# Altium PCB SSHub-B.PcbDoc (part 1 of 2)
Units mm, origin at the board's own origin, x right, y up, seen from the top; angles counter-clockwise.
Board outline 100 x 55.5 mm, 2 copper layers (Top Layer, Bottom Layer); 171 components, 186 nets, 656 pads, 131 vias.
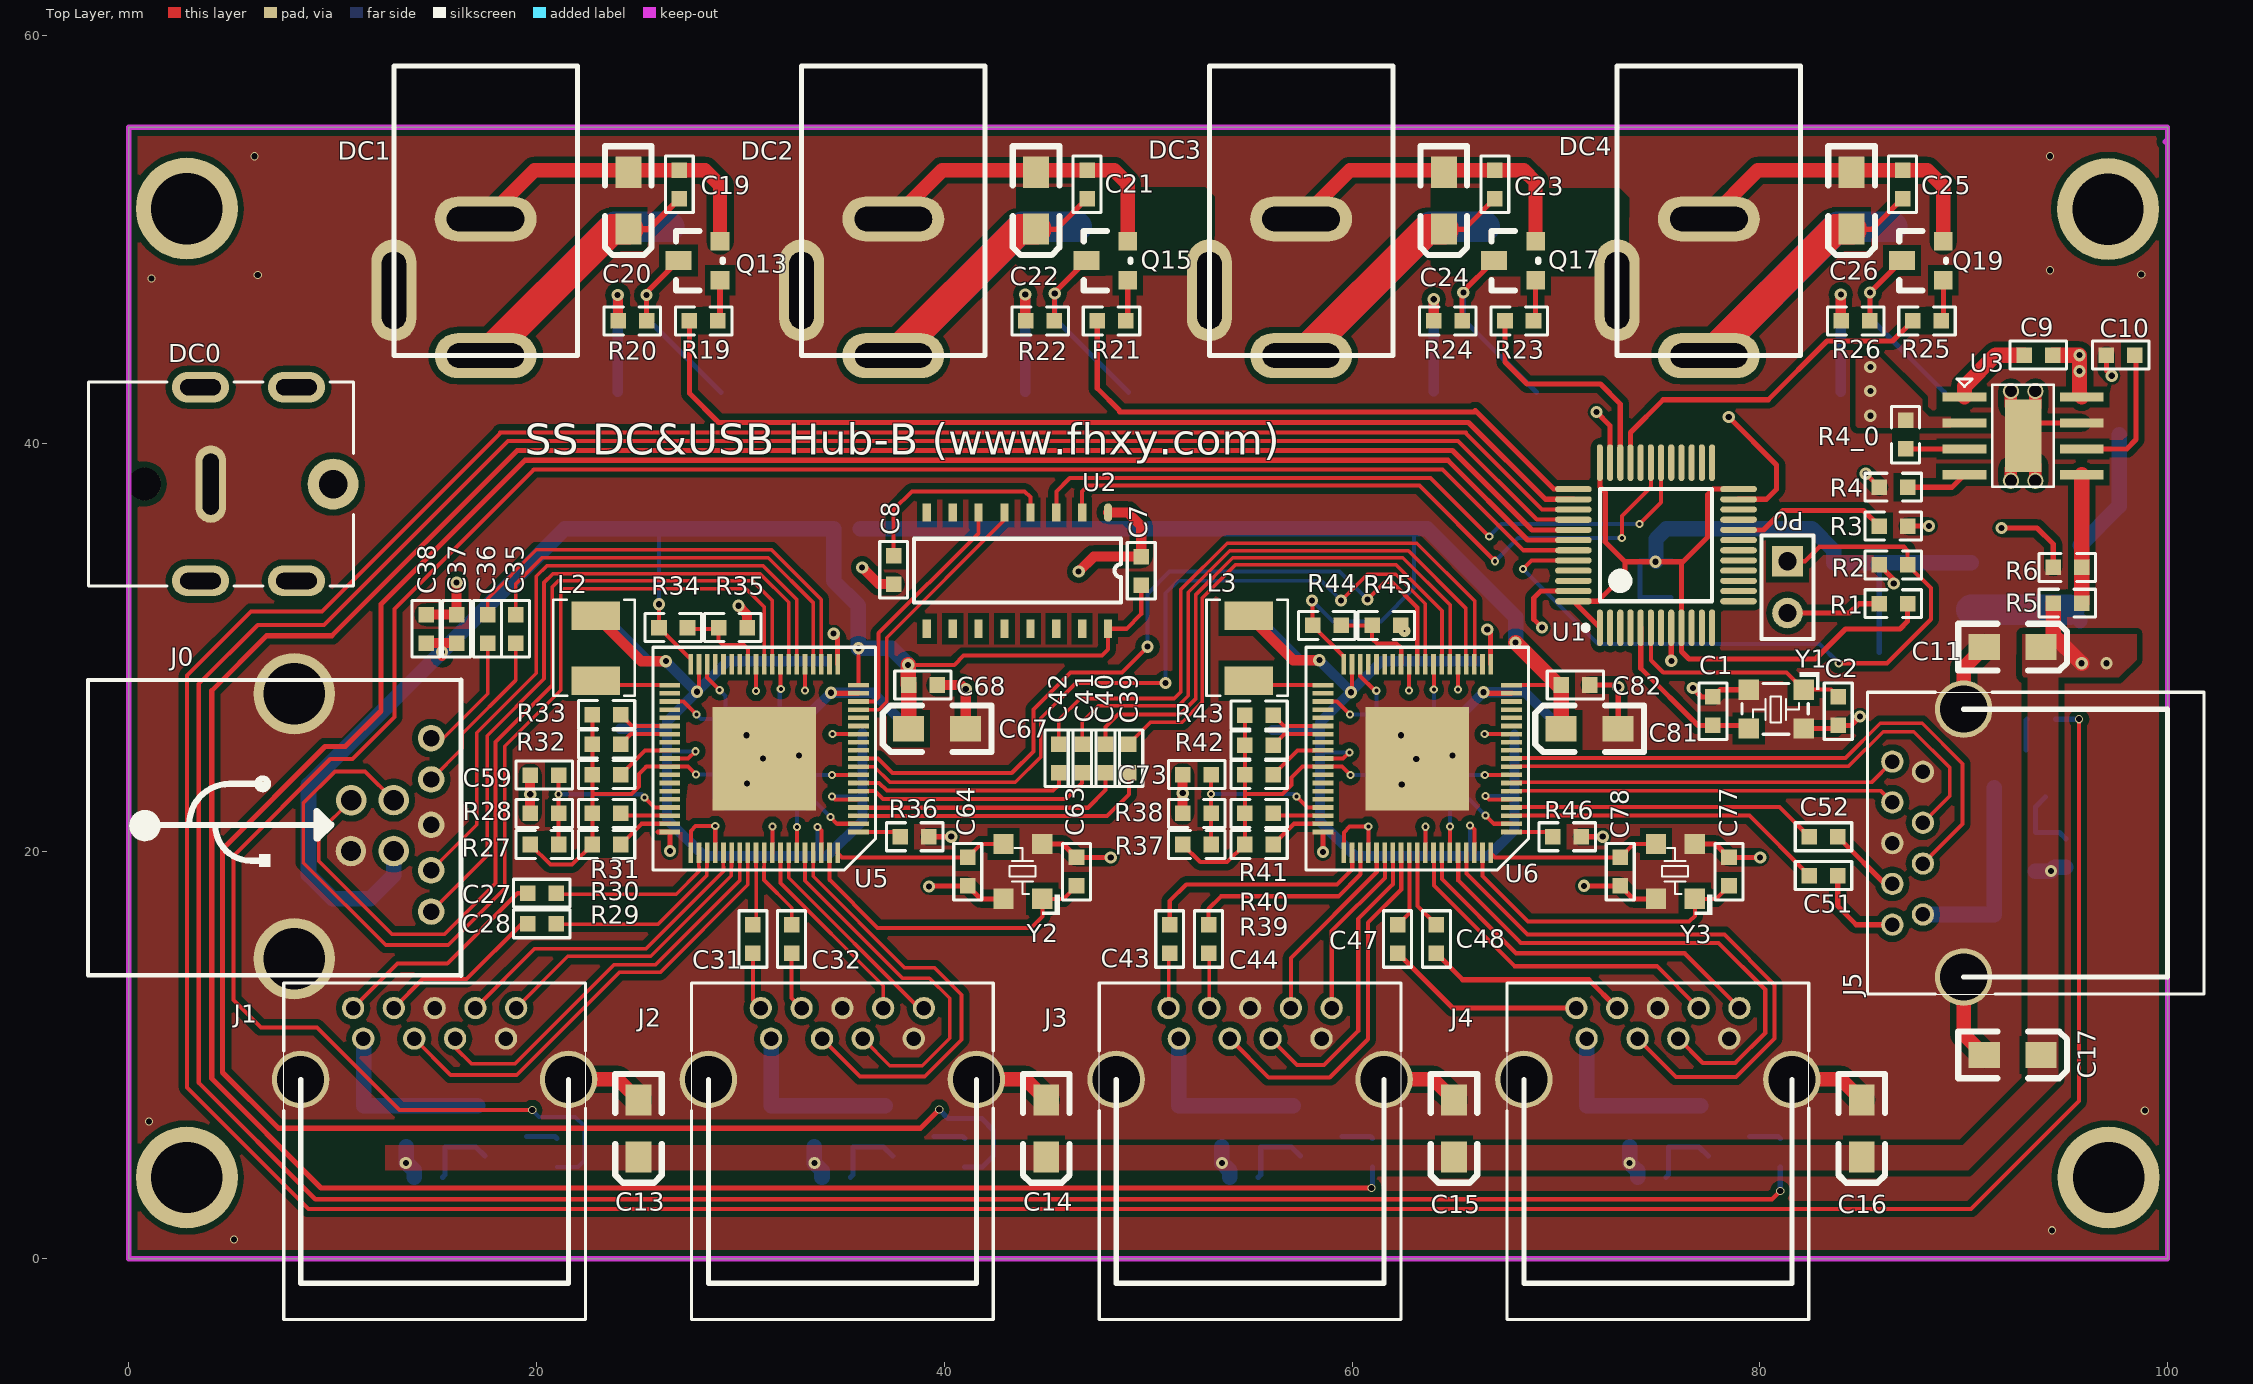
[diagram p0: Top Layer view]
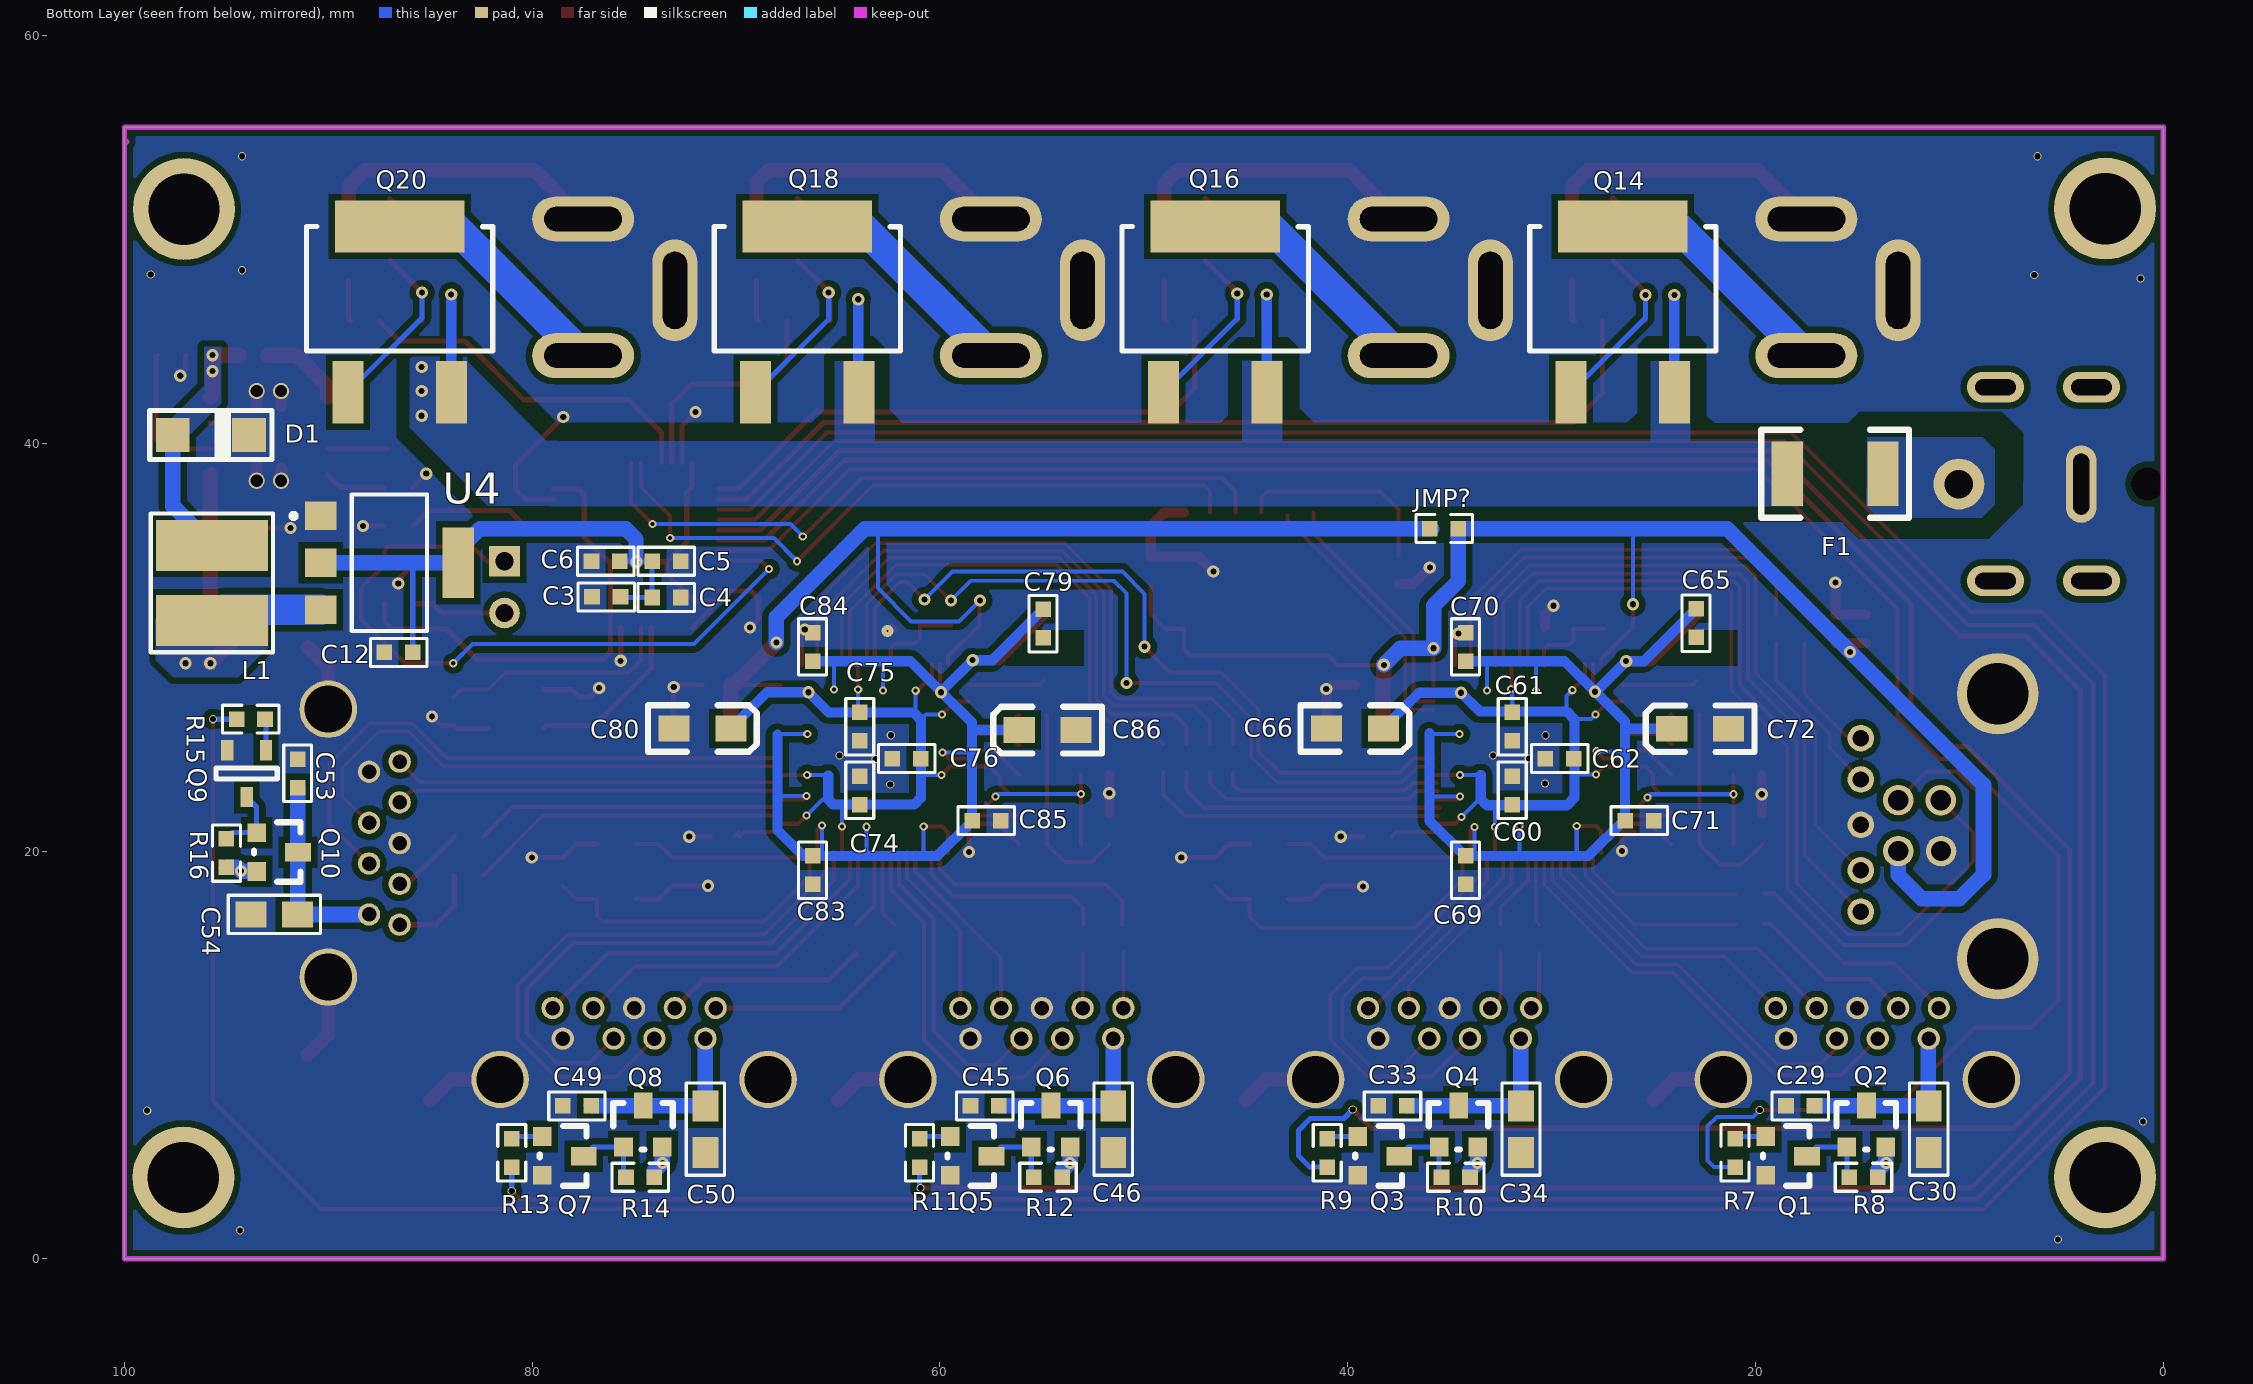
[diagram p1: Bottom Layer view, seen from below]
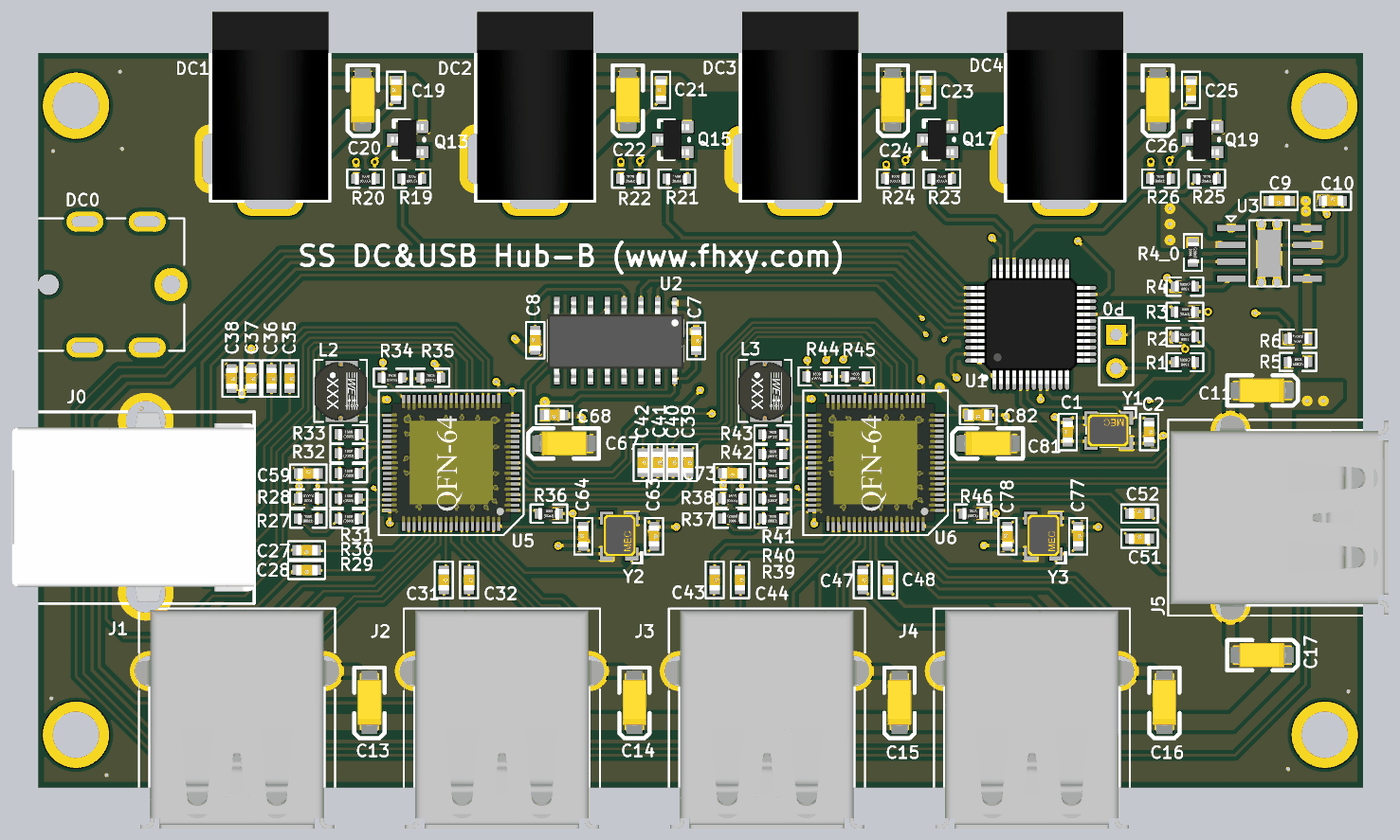
[diagram p3: 3D render of the assembled board from above, using the file's embedded part models]
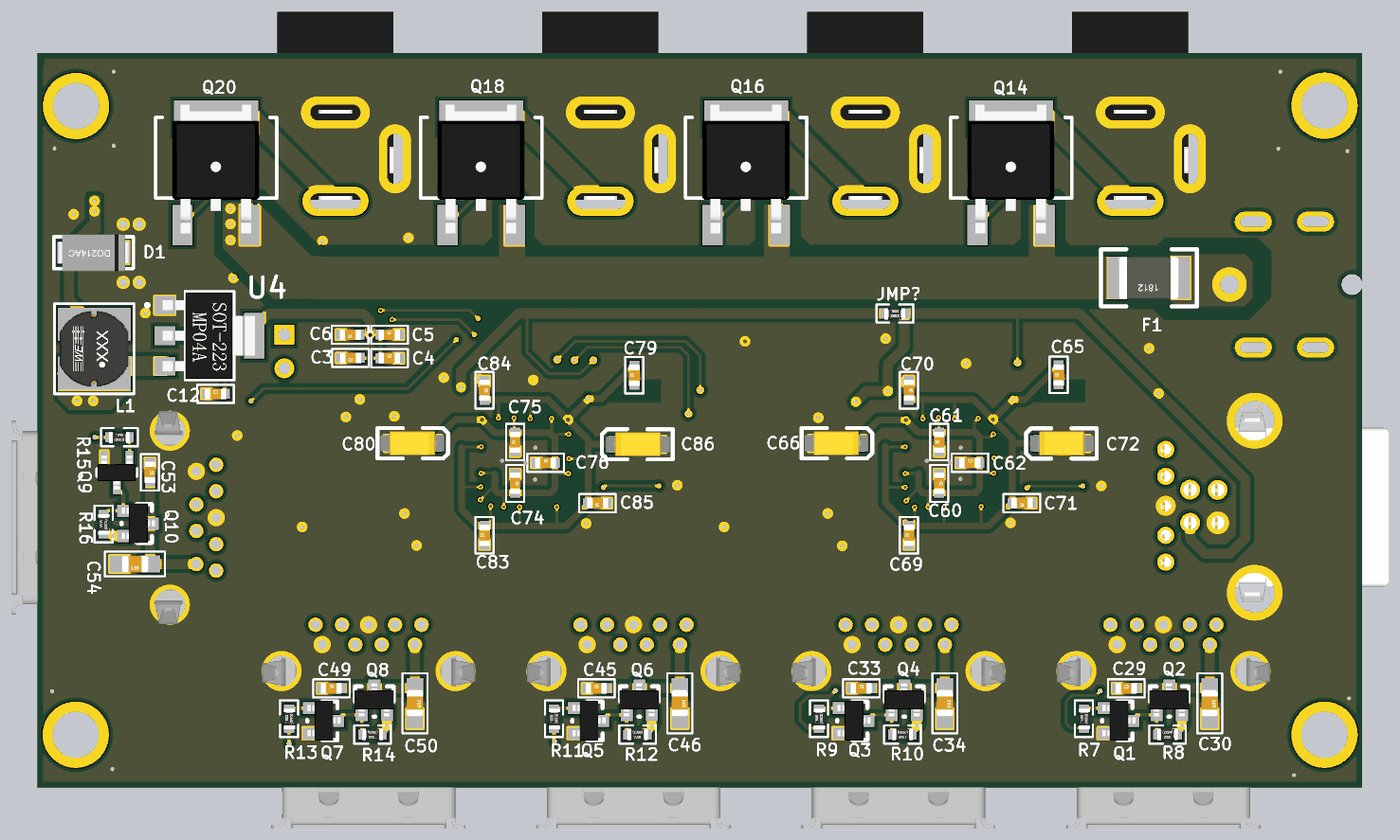
[diagram p4: 3D render of the assembled board from below, using the file's embedded part models]

## Layer stack, top to bottom
Top Solder: solder mask 0.0102, Solder Resist, Dk 3.5
Top Layer: signal copper 0.0356
Dielectric1: dielectric 0.32, FR-4, Dk 4.8
Bottom Layer: signal copper 0.0356
Bottom Solder: solder mask 0.0102, Solder Resist, Dk 3.5

## Board outline
0,0 0,55.5 100,55.5 100,0

## Design rules (kind name [scope] priority, off if disabled: settings)
Clearance Clearance_1 [InPolygon] p1: gap=0.305
Clearance [All] p2: gap=0.152
Clearance Clearance_DIFF [(InDifferentialPairClass('All Differential Pairs'))] p3: gap=0.152
DiffPairsRouting [InDifferentialPairClass('All Differential Pairs')] p1: maxlimit=0.203 minlimit=0.203 mostfreqgap=0.203 toplayer_minwidth=0.178 toplayer_maxwidth=0.305 toplayer_prefwidth=0.305 bottomlayer_minwidth=0.178 bottomlayer_maxwidth=0.305 bottomlayer_prefwidth=0.305 maxuncoupledlength=12.7
HoleToHoleClearance [All] p1: gap=0.152 allowstackedmicrovias=TRUE
MinimumSolderMaskSliver [All] p1: minsoldermaskwidth=0.102
PlaneClearance [All] p1: clearance=0.381
PlaneConnect [All] p1: planeconnectstyle=Direct reliefexpansion=0.508 reliefentries=4 reliefconductorwidth=0.254 reliefairgap=0.254
PolygonConnect [All] p1: connectstyle=Direct reliefconductorwidth=0.5 reliefentries=4 polygonreliefangle="90 Angle" airgapwidth=0.254
RoutingVias [All] p1: holewidth=0.3 width=0.4 viastyle="Through Hole" minholewidth=0.3 minwidth=0.4 maxholewidth=1 maxwidth=1.27
SilkToSilkClearance [All] p1: silktosilkclearance=0
SilkToSolderMaskClearance SilkscreenOverComponentPads [IsPad] p1: minsilkscreentomaskgap=0 clearancetoexposedcopper=TRUE
SolderMaskExpansion [All] p1: expansion=0.102
Width [All] p1: maxlimit=2 minlimit=0.152 preferedwidth=0.381
22 further rules are at their usual default settings.

## Classes and differential pairs
component class POWER: C9 C10 C11 C12 C13 C14 C15 C16 C17 C19 C20 C21 C22 C23 C24 C25 C26 D1 DC0 DC1 DC2 DC3 F1 L1 Q1 Q2 Q3 Q4 Q5 Q6 Q7 Q8 Q9 Q10 Q13 Q14 Q15 Q16 Q17 Q18 Q19 Q20 R4 R4_0 R5 R6 R7 R8 R9 R10 R11 R12 R13 R14 R15 R16 R19 R20 R21 R22 R23 R24 R25 R26 U3 U4
component class MCU: C1 C2 C3 C4 C5 C6 C7 C8 P0 R1 R2 R3 U1 U2 Y1
component class USB3.0HUB_1: C8 C12 C17 C27 C28 C30 C31 C32 C33 C34 C35 C36 C37 C38 C39 C40 C41 C42 C59 C60 C61 C62 C66 C67 C68 C69 C70 C71 C72 J0 J1 J2 L2 R27 R28 R29 R30 R31 R32 R33 R34 R35 R36 U5 Y2
component class USB3.0HUB_2: C39 C40 C41 C42 C43 C44 C45 C46 C47 C48 C49 C50 C51 C52 C53 C54 C73 C74 C75 C76 C79 C80 C82 C84 C85 C86 J3 J4 J5 JMP? L3 R37 R38 R39 R40 R41 R42 R43 R44 R45 R46 U6 Y3
differential pair ~SSTX3: +~SSTX3_P -~SSTX3_N
differential pair ~SSRX3: +~SSRX3_P -~SSRX3_N
differential pair SSTX4: +SSTX4_P -SSTX4_N
differential pair OSC: +OSC_P -OSC_N
differential pair ~SSTX0: +~SSTX0_P -~SSTX0_N
differential pair ~SSRX0: +~SSRX0_P -~SSRX0_N
differential pair USBHP4: +USBHP4_P -USBHP4_N
differential pair SSTX3: +SSTX3_P -SSTX3_N
differential pair SSTX2: +SSTX2_P -SSTX2_N
differential pair SSTX2E: +SSTX2E_P -SSTX2E_N
differential pair SSTX1: +SSTX1_P -SSTX1_N
differential pair SSTX1E: +SSTX1E_P -SSTX1E_N
differential pair SSTX0: +SSTX0_P -SSTX0_N
differential pair SSTX0E: +SSTX0E_P -SSTX0E_N
differential pair SSRX3: +SSRX3_P -SSRX3_N
differential pair SSRX2: +SSRX2_P -SSRX2_N
differential pair SSRX1: +SSRX1_P -SSRX1_N
differential pair SSRX0: +SSRX0_P -SSRX0_N
differential pair ~USBHP4: +~USBHP4_P -~USBHP4_N
differential pair ~USBHP3: +~USBHP3_P -~USBHP3_N
differential pair SSX: +SSX_P -SSX_N
differential pair ~SSX: +~SSX_P -~SSX_N
differential pair USBHP1: +USBHP1_P -USBHP1_N
differential pair USBHP2: +USBHP2_P -USBHP2_N
differential pair USBHP3: +USBHP3_P -USBHP3_N
differential pair USBDP0: +USBDP0_P -USBDP0_N
differential pair ~SSRX1: +~SSRX1_P -~SSRX1_N
differential pair ~SSRX2: +~SSRX2_P -~SSRX2_N
differential pair ~SSRX4: +~SSRX4_P -~SSRX4_N
differential pair ~SSTX1E: +~SSTX1E_P -~SSTX1E_N
differential pair ~SSTX1: +~SSTX1_P -~SSTX1_N
differential pair ~SSTX2E: +~SSTX2E_P -~SSTX2E_N
differential pair ~SSTX2: +~SSTX2_P -~SSTX2_N
differential pair ~SSTX4E: +~SSTX4E_P -~SSTX4E_N
differential pair ~SSTX4: +~SSTX4_P -~SSTX4_N
differential pair ~USBHP1: +~USBHP1_P -~USBHP1_N
differential pair ~USBHP2: +~USBHP2_P -~USBHP2_N
differential pair ~SSTX3E: +~SSTX3E_P -~SSTX3E_N

## Components (designator, comment, footprint, x,y, rotation, side; value= is the part's Value field where it differs from the comment)
C1 "18pF" 0603C 77.699,26.162 r90 top
C2 "18pF" 0603C 83.845,27.559 r270 top
C3 "0.1uF" 0603C 75.667,32.461 r0 bottom
C4 "0.1uF" 0603C 74.117,32.436 r180 bottom
C5 "0.1uF" 0603C 74.117,34.214 r180 bottom
C6 "0.1uF" 0603C 75.692,34.214 r0 bottom
C7 "0.1uF" 0603C 49.657,34.442 r270 top
C8 "0.1uF" 0603C 37.516,33.096 r90 top
C9 "0.1uF" 0603C 94.361,44.323 r180 top
C10 "0.1uF" 0603C 97,44.323 r0 top
C11 "10uF" 3216 93.8,30 r0 top locked
C12 "0.1uF" 0603C 87.249,29.743 r180 bottom
C13 "10uF" 3216 25,5 r270 top locked
C14 "10uF" 3216 45,5 r270 top locked
C15 "10uF" 3216 65,5 r270 top locked
C16 "10uF" 3216 85,5 r270 top locked
C17 "10uF" 3216 93.8,10 r0 top locked
C19 "0.1uF" 0603C 27,52 r90 top locked
C20 "10uF" 3216 24.5,50.5 r270 top locked
C21 "0.1uF" 0603C 47,52 r90 top locked
C22 "10uF" 3216 44.5,50.5 r270 top locked
C23 "0.1uF" 0603C 67,52 r90 top locked
C24 "10uF" 3216 64.5,50.5 r270 top locked
C25 "0.1uF" 0603C 87,52 r90 top locked
C26 "10uF" 3216 84.5,50.5 r270 top locked
C27 "0.1uF" 0603C 20.955,17.932 r180 top
C28 "0.1uF" 0603C 20.955,16.434 r180 top
C29 "0.1uF" 0603C 18.5,7.5 r180 bottom locked
C30 "10uF" 0805C 11.5,7.5 r270 bottom locked
C31 "0.1uF" 0603C 30.607,16.383 r270 top
C32 "0.1uF" 0603C 32.512,16.383 r270 top
C33 "0.1uF" 0603C 38.5,7.5 r180 bottom locked
C34 "10uF" 0805C 31.5,7.5 r270 bottom locked
C35 "0.1uF" 0603C 18.97,31.598 r270 top locked
C36 "0.1uF" 0603C 17.598,31.598 r270 top locked
C37 "1uF" 0603C 16.078,31.598 r270 top
C38 "1uF" 0603C 14.58,31.598 r270 top
C39 "0.1uF" 0603C 49.047,25.248 r270 top
C40 "0.1uF" 0603C 47.904,25.248 r270 top
C41 "0.1uF" 0603C 46.761,25.248 r270 top
C42 "0.1uF" 0603C 45.618,25.248 r270 top
C43 "0.1uF" 0603C 51.054,16.383 r270 top
C44 "0.1uF" 0603C 52.959,16.383 r270 top
C45 "0.1uF" 0603C 58.5,7.5 r180 bottom locked
C46 "10uF" 0805C 51.5,7.5 r270 bottom locked
C47 "0.1uF" 0603C 62.23,16.383 r270 top
C48 "0.1uF" 0603C 64.135,16.383 r270 top
C49 "0.1uF" 0603C 78.5,7.5 r180 bottom locked
C50 "10uF" 0805C 71.5,7.5 r270 bottom locked
C51 "0.1uF" 0603C 82.423,18.796 r0 top
C52 "0.1uF" 0603C 82.423,20.701 r0 top
C53 "0.1uF" 0603C 91.5,24.511 r270 bottom locked
C54 "10uF" 0805C 91.5,16.891 r0 bottom locked
C59 "1uF" 0603C 19.685,23.724 r0 top locked
C60 "0.1uF" 0603C 31.928,23.673 r270 bottom locked
C61 "0.1uF" 0603C 31.928,25.4 r90 bottom locked
C62 "0.1uF" 0603C 30.302,24.536 r180 bottom locked
C63 "18pF" 0603C 46.482,19.685 r270 top
C64 "18pF" 0603C 41.148,18.288 r90 top
C65 "1uF" 0603C 22.911,30.48 r90 bottom
C66 "4.7uF" 3216 38.252,26.01 r180 bottom locked
C67 "10uF" 3216 38.252,26 r180 top locked
C68 "0.1uF" 0603C 39.649,28.143 r180 top locked
C69 "0.1uF" 0603C 34.214,18.364 r90 bottom locked
C70 "0.1uF" 0603C 34.214,30.709 r270 bottom locked
C71 "0.1uF" 0603C 24.994,21.488 r0 bottom locked
C72 "10uF" 3216 24.105,26 r0 bottom locked
C73 "1uF" 0603C 53.086,23.749 r180 top locked
C74 "0.1uF" 0603C 63.932,23.673 r270 bottom locked
C75 "0.1uF" 0603C 63.932,25.4 r90 bottom locked
C76 "0.1uF" 0603C 62.332,24.536 r180 bottom locked
C77 "18pF" 0603C 78.486,19.685 r270 top
C78 "18pF" 0603C 73.152,18.288 r90 top
C79 "1uF" 0603C 54.94,30.455 r90 bottom
C80 "4.7uF" 3216 70.256,26.01 r180 bottom locked
C81 "10uF" 3216 70.256,26 r180 top locked
C82 "0.1uF" 0603C 71.653,28.143 r180 top locked
C83 "0.1uF" 0603C 66.243,18.364 r90 bottom locked
C84 "0.1uF" 0603C 66.243,30.709 r270 bottom locked
C85 "0.1uF" 0603C 57.023,21.488 r0 bottom locked
C86 "10uF" 3216 56.109,25.933 r0 bottom locked
D1 "SS36" DO-214AC 95.758,40.411 r180 bottom
DC0 "DC-5525" DC-5525 4.52,38 r90 top locked
DC1 "DC-5.5" DC_5.5MM 22,58.5 r270 top locked
DC2 "DC-5.5" DC_5.5MM 42,58.5 r270 top locked
DC3 "DC-5.5" DC_5.5MM 62,58.5 r270 top locked
DC4 "DC-5.5" DC_5.5MM 82,58.5 r270 top
F1 "SSQ10A" 1812R 13.741,38.506 r0 bottom
J0 "90度USB方口座" USB-B-R 12.989,20 r270 top locked
J1 "USB-UEA11123-4HK1-4H" USB3.0-A 15,8.8 r0 top locked
J2 "USB-UEA11123-4HK1-4H" USB3.0-A 35,8.8 r0 top locked
J3 "USB-UEA11123-4HK1-4H" USB3.0-A 55,8.8 r0 top locked
J4 "USB-UEA11123-4HK1-4H" USB3.0-A 75,8.8 r0 top locked
J5 "USB-UEA11123-4HK1-4H" USB3.0-A 90,20.388 r90 top
JMP? "0" 0603R 35.966,35.814 r180 bottom
L1 "SCDS6D38T-100T" CD845 95.707,33.147 r180 bottom locked
L2 "10uH/CD43" CD4532 22.835,29.947 r0 top locked
L3 "10uH/CD43" CD4532 54.864,29.947 r0 top locked
P0 "Header 2" HDR1X2 81.356,34.214 r270 top
Q1 "2N3904" SOT-23#1 19.5,6 r270 bottom locked
Q2 "SI2323DS" SIMOS 14.5,6.5 r180 bottom locked
Q3 "2N3904" SOT-23#1 39.5,6 r270 bottom locked
Q4 "SI2323DS" SIMOS 34.5,6.5 r180 bottom locked
Q5 "2N3904" SOT-23#1 59.5,6 r270 bottom locked
Q6 "SI2323DS" SIMOS 54.5,6.5 r180 bottom locked
Q7 "2N3904" SOT-23#1 79.5,6 r270 bottom locked
Q8 "SI2323DS" SIMOS 74.5,6.5 r180 bottom locked
Q9 "2N3904" SOT-23#2 94,23.8 r0 bottom locked
Q10 "SI2323DS" SIMOS 92.5,19.888 r270 bottom locked
Q13 "2N3904" SOT-23#1 29,48 r90 top locked
Q14 "AOD403" TO-252 26.5,42.5 r180 bottom locked
Q15 "2N3904" SOT-23#1 49,48 r90 top locked
Q16 "AOD403" TO-252 46.5,42.5 r180 bottom locked
Q17 "2N3904" SOT-23#1 69,48 r90 top locked
Q18 "AOD403" TO-252 66.5,42.5 r180 bottom locked
Q19 "2N3904" SOT-23#1 89,48 r90 top locked
Q20 "AOD403" TO-252 86.5,42.5 r180 bottom locked
R1 "5k" 0603R 87.249,32.131 r180 top
R2 "10k" 0603R 87.249,34.036 r180 top
R3 "10k" 0603R 85.852,35.941 r0 top
R4 "47K" 0603R 87.249,37.846 r180 top
R4_0 "10K" 0603R 87.147,39.726 r90 top (schematic designator R?)
R5 "47K" 0603R 94.386,32.156 r0 top
R6 "8.06K" 0603R 95.783,33.909 r180 top
R7 "4.7K" 0603R 21,4.5 r90 bottom locked
R8 "20K" 0603R 14,4 r0 bottom locked
R9 "4.7K" 0603R 41,4.5 r90 bottom locked
R10 "20K" 0603R 34,4 r0 bottom locked
R11 "4.7K" 0603R 61,4.5 r90 bottom locked
R12 "20K" 0603R 54,4 r0 bottom locked
R13 "4.7K" 0603R 81,4.5 r90 bottom locked
R14 "20K" 0603R 74,4 r0 bottom locked
R15 "4.7K" 0603R 94.5,26.467 r180 bottom locked
R16 "20K" 0603R 95,19.202 r90 bottom locked
R19 "4.7K" 0603R 27.5,46 r0 top locked
R20 "20K" 0603R 24,46 r0 top locked
R21 "4.7K" 0603R 47.5,46 r0 top locked
R22 "20K" 0603R 44,46 r0 top locked
R23 "4.7K" 0603R 67.5,46 r0 top locked
R24 "20K" 0603R 64,46 r0 top locked
R25 "4.7K" 0603R 87.5,46 r0 top locked
R26 "20K" 0603R 84,46 r0 top locked
R27 "10K" 0603R 19.685,20.32 r0 top locked
R28 "100K" 0603R 21.082,21.844 r180 top locked
R29 "10K" 0603R 22.733,20.32 r0 top locked
R30 "10K" 0603R 22.733,21.844 r0 top locked
R31 "10K" 0603R 22.733,23.749 r0 top locked
R32 "10K" 0603R 22.733,25.248 r0 top locked
R33 "10K" 0603R 22.733,26.695 r0 top locked
R34 "4.7K" 0603R 26.006,30.963 r0 top locked
R35 "10K" 0603R 28.927,30.963 r0 top locked
R36 "6.04K/1%" 0603R 37.846,20.701 r0 top locked
R37 "10K" 0603R 53.086,20.32 r180 top locked
R38 "100K" 0603R 51.689,21.844 r0 top locked
R39 "10K" 0603R 54.737,20.32 r0 top locked
R40 "10K" 0603R 54.737,21.844 r0 top locked
R41 "10K" 0603R 54.737,23.749 r0 top locked
R42 "10K" 0603R 54.737,25.197 r0 top locked
R43 "10K" 0603R 54.737,26.67 r0 top locked
R44 "4.7K" 0603R 58.061,31.064 r0 top locked
R45 "10K" 0603R 60.982,31.064 r0 top locked
R46 "6.04K/1%" 0603R 69.85,20.701 r0 top locked
U1 "STM32F103C8T6" LQFP48_N 74.905,35.001 r0 top locked
U2 "CH340G" SOP-16 48.031,36.601 r270 top
U3 "LMR14030SDDAR" LMR14030 92.913,40.361 r180 top locked
U4 "AMS1117-3.3" SOT223 87,34.138 r270 bottom locked
U5 "VL813-Q7" QFN76-15P7-TH 31.166,24.536 r90 top locked
U6 "VL813-Q7" QFN76-15P7-TH 63.195,24.536 r90 top locked
Y1 "8MHz 无源" X3225#1 82.118,27.94 r180 top locked
Y2 "25MHz 无源" X3225#2 43.79,18.999 r90 top locked
Y3 "25MHz 无源" X3225#2 75.794,18.999 r90 top locked

## Footprints (in the part's own frame and the unit in brackets; to place one, negate y for a bottom-side part, rotate by r counter-clockwise, add the part's x,y. Pads: shape width x height; smd on the part's side, far side on the other; paste and mask are expansions set on the pad)
0603C [mil]
  rect 30x30 smd: 1(0,0) 2(55,0)
  silkscreen extent -27,-27 82,27, body extent -4,-16 59,16, height 12
0603R [mil]
  rect 30x30 smd: 1(0,0) 2(55,0)
  silkscreen extent -27,-27 82,27, body extent -4,-18 58,16, height 18
0805C [mil]
  rect 60x50 smd: 1(0,0) 2(90,0)
  silkscreen extent -44,-37 134,37, body extent 5,-25 83,25, height 31
1812R [mil]
  rect 60x125 smd: 1(0,0) 2(185,0)
  silkscreen extent -50,-85 235,85, body extent 4,-63 182,63, height 64
3216 [mil]
  rect 60x50 smd: 1(0,0) 2(-110,0)
  silkscreen extent -160,-45 50,45, body extent -151,-35 38,36, height 73
CD845 [mm]
  rect 5.5x2.5 smd: 1(0,1.85) 2(0,-1.85)
  silkscreen extent -3,-3.4 3,3.4, body extent -2.59,-2.89 2.59,2.89, height 4.5
CD4532 [mm]
  rect 2.4x1.4 smd: 1(0.069,-1.605) 2(0.069,1.595)
  Bottom Layer pour cut-out: 1.908,-0.854 1.908,0.894 -1.931,0.894 -1.931,-0.854
  silkscreen extent -2.01,-2.33 1.98,2.37, body extent -2.01,-2.24 1.99,2.24, height 3.18
DC-5525 [mm]
  round 1.6 hole 1.6 unplated mask+0.05: 01(0,3.75)
  round 2.5 hole 1.4 mask+0.05: 1(0,-5.5)
  oval 1.5x2.8 hole 0.8 slot 2 at 90 deg mask+0.05: 02(-4.75,-3.7) 02(-4.75,1) 02(4.75,-3.7) 02(4.75,1)
  oval 3.8x1.5 hole 0.8 slot 3 at 0 deg mask+0.05: 2(0,0.5)
  silkscreen extent -5,-6.5 5,6.5
DC_5.5MM [mm]
  oval 2.2x5 hole 1.2 slot 3.8 at 90 deg: 1(14.2,-4.5) 2(7.5,-4.5)
  oval 5x2.2 hole 1.2 slot 3.8 at 0 deg: 3(11,-9)
  silkscreen extent 0,-9 14.2,0, body extent -0.1,-8.88 14.1,-0.12, height 10.82
DO-214AC [mm]
  rect 1.655x1.67 smd: 1(1.865,0) 2(-1.865,0)
  silkscreen extent -3,-1.2 3,1.2, body extent -2.74,-1.4 2.74,1.4, height 2.3
HDR1X2 [mm] "Connector; Header; 2 Position"
  rect 1.5x1.5 hole 0.9: 1(0,0)
  round 1.5 hole 0.9: 2(2.54,0)
  silkscreen extent -1.27,-1.27 3.81,1.27
LMR14030 [mm]
  rect 2.15x0.45 smd: 1(2.875,-1.905) 2(2.875,-0.635) 3(2.875,0.635) 4(2.875,1.905) 5(-2.875,1.905) 6(-2.875,0.635) 7(-2.875,-0.635) 8(-2.875,-1.905)
  round 0.8 hole 0.6: 9(-0.6,2.2) 9(-0.6,-2.2) 9(0.6,2.2) 9(0.6,-2.2)
  rect 1.778x3.556 smd: 9(0,0)
  Top Layer lines w0.61: 0.6,2.2 0.6,1.616 ; 0.6,-1.489 0.6,-2.2 ; -0.6,2.2 -0.6,1.432 ; -0.6,-1.432 -0.6,-2.2
  silkscreen extent -1.49,-2.79 3.26,2.49
LQFP48_N [mm]
  oval 0.3x1.8 smd: 1(-2.75,-4.05) 2(-2.25,-4.05) 3(-1.75,-4.05) 4(-1.25,-4.05) 5(-0.75,-4.05) 6(-0.25,-4.05) 7(0.25,-4.05) 8(0.75,-4.05) 9(1.25,-4.05) 10(1.75,-4.05) 11(2.25,-4.05) 12(2.75,-4.05) 25(2.75,4.05) 26(2.25,4.05) 27(1.75,4.05) 28(1.25,4.05) 29(0.75,4.05) 30(0.25,4.05) 31(-0.25,4.05) 32(-0.75,4.05) 33(-1.25,4.05) 34(-1.75,4.05) 35(-2.25,4.05) 36(-2.75,4.05)
  oval 1.8x0.3 smd: 13(4.05,-2.75) 14(4.05,-2.25) 15(4.05,-1.75) 16(4.05,-1.25) 17(4.05,-0.75) 18(4.05,-0.25) 19(4.05,0.25) 20(4.05,0.75) 21(4.05,1.25) 22(4.05,1.75) 23(4.05,2.25) 24(4.05,2.75) 37(-4.05,2.75) 38(-4.05,2.25) 39(-4.05,1.75) 40(-4.05,1.25) 41(-4.05,0.75) 42(-4.05,0.25) 43(-4.05,-0.25) 44(-4.05,-0.75) 45(-4.05,-1.25) 46(-4.05,-1.75) 47(-4.05,-2.25) 48(-4.05,-2.75)
  silkscreen extent -3.57,-4.17 2.75,2.75, body extent -4.5,-4.5 4.5,4.5, height 1.5
QFN76-15P7-TH [mil]
  rect 9x40 smd: 1(-141.73,-182.16) 2(-125.98,-182.16) 3(-110.24,-182.16) 4(-94.49,-182.16) 5(-78.74,-182.16) 6(-62.99,-182.16) 7(-47.24,-182.16) 8(-31.5,-182.16) 9(-15.75,-182.16) 10(0,-182.16) 11(15.75,-182.16) 12(31.5,-182.16) 13(47.24,-182.16) 14(62.99,-182.16) 15(78.74,-182.16) 16(94.49,-182.16) 17(110.24,-182.16) 18(125.98,-182.16) 19(141.73,-182.16) 39(141.73,182.17) 40(125.98,182.17) 41(110.24,182.17) 42(94.49,182.17) 43(78.74,182.17) 44(62.99,182.17) 45(47.24,182.17) 46(31.5,182.17) 47(15.75,182.17) 48(0,182.17) 49(-15.75,182.17) 50(-31.5,182.17) 51(-47.24,182.17) 52(-62.99,182.17) 53(-78.74,182.17) 54(-94.49,182.17) 55(-110.24,182.17) 56(-125.98,182.17) 57(-141.73,182.17)
  rect 40x9 smd: 20(182.16,-141.73) 21(182.16,-125.98) 22(182.16,-110.24) 23(182.16,-94.49) 24(182.16,-78.74) 25(182.16,-62.99) 26(182.16,-47.24) 27(182.16,-31.5) 28(182.16,-15.75) 29(182.16,0) 30(182.16,15.75) 31(182.16,31.5) 32(182.16,47.24) 33(182.16,62.99) 34(182.16,78.74) 35(182.16,94.49) 36(182.16,110.24) 37(182.16,125.98) 38(182.16,141.73) 58(-182.16,141.73) 59(-182.16,125.98) 60(-182.16,110.24) 61(-182.16,94.49) 62(-182.16,78.74) 63(-182.16,62.99) 64(-182.16,47.24) 65(-182.16,31.5) 66(-182.16,15.75) 67(-182.16,0) 68(-182.16,-15.75) 69(-182.16,-31.5) 70(-182.16,-47.24) 71(-182.16,-62.99) 72(-182.16,-78.74) 73(-182.16,-94.49) 74(-182.16,-110.24) 75(-182.16,-125.98) 76(-182.16,-141.73)
  rect 200x200 smd: G1(0,0)
  silkscreen extent -215,-215 215,215, body extent -177,-178 179,178, height 36
SIMOS [mil]
  rect 36x50 smd: D(-2,40)
  rect 36x36 smd: G(-40,-40) S(35,-40)
  silkscreen extent -60,-45 55,45, body extent -62,-44 56,54, height 44
SOP-16 [mm]
  oval 0.9x0.4 smd: 1(0,0)
  rect 0.9x0.4 smd: 2(0,-1.27) 3(0,-2.54) 4(0,-3.81) 5(0,-5.08) 6(0,-6.35) 7(0,-7.62) 8(0,-8.89) 9(5.7,-8.89) 10(5.7,-7.62) 11(5.7,-6.35) 12(5.7,-5.08) 13(5.7,-3.81) 14(5.7,-2.54) 15(5.7,-1.27) 16(5.7,0)
  silkscreen extent 1.28,-9.53 4.42,0.64, body extent -0.13,-9.6 5.93,0.7, height 1.95
SOT223 [mm] "SOT-223/SC-73; 4 Leads; Body 6.7 x 7.3 mm, inc. leads (LxW max)"
  rect 1.4x1.55 smd: 1(-2.3,-3.375) 2(0,-3.375) 3(2.3,-3.375)
  rect 3.45x1.55 smd: 4(0,3.375)
  silkscreen extent -3.35,-4.83 3.35,1.85, body extent -3.25,-3.53 3.25,3.43, height 1.7
SOT-23#1 [mil]
  rect 36x36 smd: B(0,0) E(75,0)
  rect 36x50 smd: C(38,80)
  silkscreen extent -20,-5 95,85, body extent -22,-4 96,94, height 44
SOT-23#2 [mil] "SOT-23-3"
  rect 23.62x39.37 smd: 1(-37.4,-45.28) 2(37.4,-45.28) 3(0,45.28)
  silkscreen extent -59,-11 59,11, body extent -57,-50 57,50, height 39
TO-252 [mil]
  rect 250x100 smd: D(0,320)
  rect 60x120 smd: G(-100,0) S(100,0)
  silkscreen extent -180,80 180,320, body extent -131,-24 129,357, height 91
USB3.0-A [mil] "USB3.0-A"
  round 43 hole 28: 1(-137.8,78.74) 2(-39.37,78.74) 3(39.37,78.74) 4(137.8,78.74) 5(157.48,137.79) 6(78.74,137.79) 7(0,137.79) 8(-78.74,137.79) 9(-157.48,137.79)
  round 111 hole 91: G1(-258.66,0) G2(258.66,0)
  silkscreen extent -291,-464 291,186, body extent -317,-469 317,180, height 300
USB-B-R [mm]
  round 1.5 hole 1: 1(0,0) 2(-2.5,0) 3(-2.489,-2.083) 4(0,-2.094)
  round 1.3 hole 0.8: 5(-5.537,1.84) 6(-3.512,1.84) 7(-1.283,1.84) 8(0.945,1.84) 9(2.971,1.84)
  round 4 hole 3: G1(5.283,-4.877) G2(-7.713,-4.874)
  silkscreen extent -8.38,-14.99 6.1,3.3, body extent -8.38,-14.99 6.02,3.31, height 13.21
X3225#1 [mm]
  rect 1x1 smd: 1(-0.025,0.025) 2(2.667,0.025) 3(2.667,1.93) 4(-0.025,1.93)
  silkscreen extent -0.81,-0.84 3,2.21, body extent -0.23,-0.29 2.97,2.21, height 0.72
X3225#2 [mm]
  rect 1x1 smd: 1(-1.346,-1.016) 2(1.346,-1.016) 3(1.346,0.889) 4(-1.346,0.889)
  silkscreen extent -2.13,-1.88 1.14,0.59, body extent -1.55,-1.33 1.65,1.17, height 0.72

## Part data
C1 C2 C3 C4 C5 C6 C7 C8 C9 C10 C11 C12 C13 C14 C15 C16 C17 C19 C21 C23 C25 C27 C28 C29 C30 C31 C32 C33 C34 C35 C36 C37 C38 C39 C40 C41 C42 C43 C44 C45 C46 C47 C48 C49 C50 C51 C52 C53 C54 C59 C60 C61 C62 C63 C64 C65 C66 C67 C68 C69 C70 C71 C72 C73 C74 C75 C76 C77 C78 C79 C80 C81 C82 C83 C84 C85 C86: library part Cap, "Capacitor"
C20 C22 C24 C26: library part "Cap Pol1", "Polarized Capacitor (Radial)"
D1: "二极管，3A"
DC1 DC2 DC3 DC4: library part POWER-5.5
F1: library part FUSE2, "Fuse"
J0 J1 J2 J3 J4 J5: library part USB_DSP
JMP?: library part Res
L1: library part SPM6530, "电感"
L2 L3: library part "INDUCTOR IRON"
P0: "Header, 2-Pin"
Q1 Q3 Q5 Q7 Q9 Q13 Q15 Q17 Q19: "NPN General Purpose Amplifier"
Q2 Q4 Q6 Q8 Q10 Q14 Q16 Q18 Q20: library part SI2323
R1 R2 R3 R7 R8 R9 R10 R11 R12 R13 R14 R15 R16 R19 R20 R21 R22 R23 R24 R25 R26: library part RES, "Resistor"
R4 R4_0 R5 R6 R27 R28 R29 R30 R31 R32 R33 R34 R35 R36 R37 R38 R39 R40 R41 R42 R43 R44 R45 R46: library part Res, "贴片电阻"
U1: "STM32 ARM-based 32-bit MCU Performance Line with 64 kB Flash, 20 kB Internal RAM, -40 to +85癈 Temperature, 48-Pin LQFP, Tray"
U2: "USB2UART"
U3: library part LMR14030
U4: library part SPX1117
U5 U6: library part VL812-Q7
Y1 Y2 Y3: library part XTAL_1, "Crystal Oscillator"

## Free pads (board coordinates)
  round 5 hole 3.5: 1(2.845,3.988) 2(2.845,51.511) 3(97.079,51.486) 4(97.104,3.988)

## Via types
v1: diameter 0.6, hole 0.3, Top Layer to Bottom Layer, 66 vias
v2: diameter 0.4, hole 0.2, Top Layer to Bottom Layer, 40 vias
v3: diameter 0.4, hole 0.3, Top Layer to Bottom Layer, 24 vias
v4: diameter 0.6, hole 0.1, Top Layer to Bottom Layer, 1 vias

## Nets (pads, with @x,y where several pads share a name; then routed paths per layer and width w, separated by ;. In a path a pad name is that pad's centre, name@x,y a point inside that pad or via, vN(x,y) a via of type N, cw(c..) or ccw(c..) an arc to the next point about the centre after c; other vN are vias at no path point)
1_2V: C65.2 C69.2 C70.2 C71.2 C72.1 L2.2 U5.5 U5.13 U5.24 U5.30 U5.37 U5.48 U5.58 U5.61 U5.68 U5.74 | length 68.3
  Top Layer w0.2: U5.48@26.539,24.536 27.432,24.536 v2(27.788,24.892) ; U5.58@27.566,19.909 27.566,20.987 27.801,21.222 v2(28.766,21.222) U5.61@28.766,19.909 ; v1(27.864,27.813) 27.966,27.915 U5.37@27.966,29.163 ; v2(30.766,27.857) U5.30@30.766,29.163 ; U5.68@31.566,19.909 v2(31.566,21.203) ; v2(33.166,27.87) U5.24@33.166,29.163 ; v2@33.757,21.209 v2(33.782,21.184) 33.966,21 U5.74@33.966,19.909 ; v2(34.493,22.682) 34.639,22.536 U5.5@35.793,22.536 ; v2(34.512,25.736) U5.13@35.793,25.736
  Top Layer w0.5: L2.2@22.903,31.541 25.133,29.312 v1(26.34,29.312)
  Bottom Layer w0.2: 26.416,24.892 v2(27.788,24.892) ; 28.766,19.774 v2(28.766,21.222) ; v2(30.766,27.857) 30.766,29.305 ; 31.566,19.78 v2(31.566,21.203) ; v2(33.166,27.87) 33.166,29.305 ; 33.782,19.787 v2(33.782,21.184) ; v2(34.493,22.682) 35.966,22.682 ; v2(34.512,25.736) 35.947,25.736
  Bottom Layer w0.5: C65.2@22.911,31.877 25.476,29.312 v1(26.34,29.312) v1@27.838,27.813 ; C72.1@24.105,26 26.375,26 ; C70.2@34.214,29.312 29.362,29.312 v1(27.864,27.813) 26.391,26.34 26.391,21.565 28.194,19.761 C69.2@34.214,19.761 34.265,19.761 35.992,21.488 35.992,25.781
3_3V: C60.2 C61.2 C62.2 C66.1 R27.1 R29.1 R30.1 R31.1 R32.1 R33.1 U5.2 U5.8 U5.18 U5.27 U5.36 U5.41 U5.49 U5.71 | length 54.5
  Top Layer w0.2: R27.1@19.685,20.32 20.676,19.329 21.742,19.329 R29.1@22.733,20.32 R30.1@22.733,21.844 22.733,22.796 ; R33.1@22.733,26.695 R32.1@22.733,25.248 R31.1@22.733,23.749 22.733,22.796 ; U5.41@26.539,27.336 27.197,27.336 v2(27.838,26.695) ; v2(27.813,23.749) 27.426,24.136 U5.49@26.539,24.136 25.381,24.136 25.019,23.774 25.019,23.165 24.651,22.796 22.733,22.796 ; U5.36@28.366,29.163 28.366,28.505 v2(28.981,27.889) ; U5.27@31.966,29.163 31.966,27.953 v2(31.979,27.94) ; U5.71@32.766,19.909 v2(32.766,21.184) ; v2(34.417,21.666) 34.747,21.336 U5.2@35.793,21.336 ; v2@34.506,23.736 U5.8@35.793,23.736
  Top Layer w0.254: v1@34.468,27.736 U5.18@35.793,27.736
  Bottom Layer w0.2: v2(27.813,23.749) 28.854,23.749 ; v2(27.838,26.695) 28.067,26.467 28.88,26.467 ; v2(28.981,27.889) 29.261,27.61 29.261,26.848 ; C61.2@31.928,26.797 31.928,26.848 31.928,27.889 v2(31.979,27.94) ; v2(32.766,21.184) 32.766,22.225 ; 33.477,23.724 v2(34.493,23.724) ; 33.528,22.555 v2(34.417,21.666)
  Bottom Layer w0.5: 33.477,23.724 33.477,22.555 33.172,22.25 29.235,22.25 28.88,22.606 28.88,26.467 29.261,26.848 31.928,26.848 33.528,26.848 v1(34.442,27.762) 36.5,27.762 C66.1@38.252,26.01
5V1: C29.2 C30.1 J1.1 Q2.D | length 8.9
  Bottom Layer w0.762: J1.1@11.516,10.784 11.516,7.516 Q2.D@14.551,7.516 C29.2@17.103,7.516
5V2: C33.2 C34.1 J2.1 Q4.D | length 8.9
  Bottom Layer w0.762: J2.1@31.5,10.8 C34.1@31.5,7.5 C33.2@37.103,7.5
5V3: C45.2 C46.1 J3.1 Q6.D | length 8.9
  Bottom Layer w0.762: J3.1@51.5,10.8 C46.1@51.5,7.5 C45.2@57.103,7.5
5V4: C49.2 C50.1 J4.1 Q8.D | length 8.9
  Bottom Layer w0.762: J4.1@71.5,10.8 C50.1@71.5,7.5 C49.2@77.103,7.5
5V5: C53.2 C54.1 J5.1 Q10.D | length 9.7
  Bottom Layer w0.762: J5.1@88,16.888 91.497,16.888 C53.2@91.497,23.111
5V6: 
12V1: C19.1 C20.1 DC1.1 Q14.D | length 24.3
  Top Layer w0.3: C20.1@24.5,50.5 25.5,50.5 C19.1@27,52
  Top Layer w1.5: DC1.1@17.5,44.3 23.7,50.5 C20.1@24.5,50.5
  Bottom Layer w1.5: DC1.1@17.5,44.3 23.828,50.628 Q14.D@26.5,50.628
12V2: C21.1 C22.1 DC2.1 Q16.D | length 24.3
  Top Layer w0.254: C22.1@44.5,50.5 45.5,50.5 C21.1@47,52
  Top Layer w1.5: DC2.1@37.5,44.3 43.7,50.5 C22.1@44.5,50.5
  Bottom Layer w1.5: DC2.1@37.5,44.3 43.828,50.628 Q16.D@46.5,50.628
12V3: C23.1 C24.1 DC3.1 Q18.D | length 24.3
  Top Layer w0.254: C24.1@64.5,50.5 65.5,50.5 C23.1@67,52
  Top Layer w1.5: DC3.1@57.5,44.3 63.7,50.5 C24.1@64.5,50.5
  Bottom Layer w1.5: DC3.1@57.5,44.3 63.828,50.628 Q18.D@66.5,50.628
12V4: C25.1 C26.1 DC4.1 Q20.D | length 24.3
  Top Layer w0.254: C26.1@84.5,50.5 85.5,50.5 C25.1@87,52
  Top Layer w1.5: DC4.1@77.5,44.3 83.7,50.5 C26.1@84.5,50.5
  Bottom Layer w1.5: DC4.1@77.5,44.3 83.828,50.628 Q20.D@86.5,50.628
ADAPTERIN: C7.2 C37.2 C38.2 C67.1 C68.2 J0.1 JMP?.2 R34.1 U2.16 U5.19 U5.38 | length 79.7
  Top Layer w0.2: v1(26.01,32.106) 26.006,32.102 R34.1@26.006,30.963 27.566,29.403 U5.38@27.566,29.163 ; U5.19@35.793,28.136 v1@35.793,29.942 ; v1(38.227,29.134) 40.488,29.134 40.945,29.591 47.727,29.591 48.031,29.896 U2.16@48.031,30.901 48.935,30.901 49.657,31.623 C7.2@49.657,33.045
  Top Layer w0.5: C38.2@14.58,30.201 15.367,30.201 ; v1@15.367,29.566 15.367,30.201 ; C37.2@16.078,30.201 15.367,30.201
  Top Layer w0.762: C68.2@38.227,28.168 v1(38.227,29.134) ; C67.1@38.252,26 C68.2@38.252,28.143 C68.2@38.252,28.194
  Bottom Layer w0.2: v1(26.01,32.106) 26.01,35.814
  Bottom Layer w0.762: J0.1@12.989,20 12.989,18.806 11.836,17.653 10.008,17.653 8.814,18.847 8.814,23.241 21.387,35.814 26.01,35.814 JMP?.2@34.544,35.814 ; JMP?.2@34.569,35.814 34.569,33.249 35.789,32.029 v1(35.789,29.947) 37.414,29.947 v1(38.227,29.134)
  other v1: 15.367,29.769
AMB2: U5.34
AMB3: U5.33
AMB4: U5.32
BOOT0: P0.1 R2.1 U1.44 | length 35.6
  Top Layer w0.203: v2(68.377,33.833) 68.795,34.251 U1.44@70.855,34.251 ; P0.1@81.356,34.214 82.22,34.214 82.931,34.925 87.071,34.925 87.249,34.747 R2.1@87.249,34.036 88.392,32.893 88.392,31.369 86.233,29.21 v2(83.871,29.21)
  Bottom Layer w0.203: v2(68.377,33.833) 72.06,30.15 82.931,30.15 v2(83.871,29.21)
BOOT1: R3.1 U1.20 | length 7.6
  Top Layer w0.254: U1.20@78.955,35.751 80.176,35.751 81.128,36.703 85.09,36.703 R3.1@85.852,35.941
COREPWRDN: U5.46
D3V3: C3.1 C4.1 C5.1 C6.1 C12.2 R1.1 U1.1 U1.9 U1.24 U1.36 U1.48 U4.2 U4.4 | length 63.3
  Top Layer w0.254: U1.1@72.155,30.951 U1.48@70.855,32.251 72.053,32.251 73.381,33.579 73.381,34.188 ; U1.36@72.155,39.051 72.155,37.853 72.415,37.592 72.415,35.154 73.381,34.188 ; 76.155,34.056 U1.9@76.155,30.951 76.155,29.789 76.53,29.413 82.728,29.413 84.201,30.886 86.868,30.886 87.249,31.267 R1.1@87.249,32.131 ; U1.24@78.955,37.751 77.705,37.751 77.445,37.49 77.445,35.408 76.225,34.188 v1(74.879,34.188) 73.381,34.188
  Bottom Layer w0.254: v1@74.854,34.214 C5.1@74.117,34.214 C4.1@74.117,32.436 C3.1@75.641,32.436 ; v1@74.905,34.214 C6.1@75.692,34.214 ; C12.2@85.852,29.743 85.852,34.112
  Bottom Layer w0.75: v1@74.905,34.214 74.905,35.306 75.413,35.814 82.55,35.814 83.625,34.739 U4.4@83.625,34.138 U4.2@90.375,34.138
D5V0: C11.1 C13.1 C14.1 C15.1 C16.1 C17.1 L1.2 Q2.S Q4.S Q6.S Q8.S Q10.S R5.1 R8.1 R10.1 R12.1 R14.1 R16.1 U4.3 | length 17.2
  Top Layer w0.75: R5.1@94.386,32.156 94.386,30.607 v1(95.783,29.21)
  Bottom Layer w0.75: L1.2@95.167,31.838 L1.2@95.707,31.297
  Bottom Layer w0.762: Q2.S@13.611,5.484 13.611,4.721 14,4.332 R8.1@14,4 ; Q4.S@33.611,5.484 33.611,4.718 v1(33.63,4.699) 34,4.329 R10.1@34,4 ; Q6.S@53.611,5.484 53.611,4.707 v1(53.619,4.699) 54,4.318 R12.1@54,4 ; Q8.S@73.611,5.484 73.611,4.701 74,4.312 R14.1@74,4 ; Q10.S@93.516,18.999 94.259,18.999 v1(94.285,19.025) 94.463,19.202 R16.1@95,19.202
  Bottom Layer w1.5: U4.3@90.375,31.838 L1.2@95.167,31.838
  other v1: 13.589,4.699 73.609,4.699 97.003,29.21
D12V0: F1.2 Q14.S Q16.S Q18.S Q20.S R4_0.2 R20.1 R22.1 R24.1 R26.1 U3.2 | length 23.7
  Top Layer w0.5: R20.1@24,46 v1@24,47.247 ; R22.1@43.967,46.033 v1(43.967,47.295) ; R24.1@64.008,46.008 v1(64.008,47.066) ; R26.1@83.972,46.028 v1(83.972,47.295)
  Bottom Layer w0.5: Q14.S@23.978,42.518 v1(23.978,47.269) ; Q16.S@43.967,42.507 v1(43.967,47.295) ; Q18.S@64.008,42.548 v1(64.008,47.066) ; Q20.S@83.972,42.512 v1(83.972,47.295)
  other v1: 85.42,41.351 85.42,42.57 85.42,43.739
DCSW1: R19.1 U1.38 | length 49.1
  Top Layer w0.254: R19.1@27.5,46 27.5,42.452 28.931,41.021 65.71,41.021 69.48,37.251 U1.38@70.855,37.251
DCSW2: R21.1 U1.37 | length 28.7
  Top Layer w0.254: R21.1@47.5,46 47.5,42.695 48.59,41.605 ; 48.59,41.529 66.04,41.529 ; 66.04,41.605 69.894,37.751 U1.37@70.855,37.751
DCSW3: R23.1 U1.34 | length 11.4
  Top Layer w0.254: R23.1@67.5,46 67.5,43.981 68.58,42.901 72.187,42.901 73.155,41.933 U1.34@73.155,39.051
DCSW4: R25.1 U1.33 | length 17.6
  Top Layer w0.254: U1.33@73.655,39.051 73.655,40.533 75.26,42.139 80.416,42.139 83.287,45.009 86.509,45.009 R25.1@87.5,46
DCSW5: 
DCSW6: 
EXTPWRON: R31.2 U5.47 | length 2.9
  Top Layer w0.2: R31.2@24.13,23.749 25.317,24.936 U5.47@26.539,24.936